# Altium PCB coreBoard_autotrack.PcbDoc (part 2 of 3) (continued)
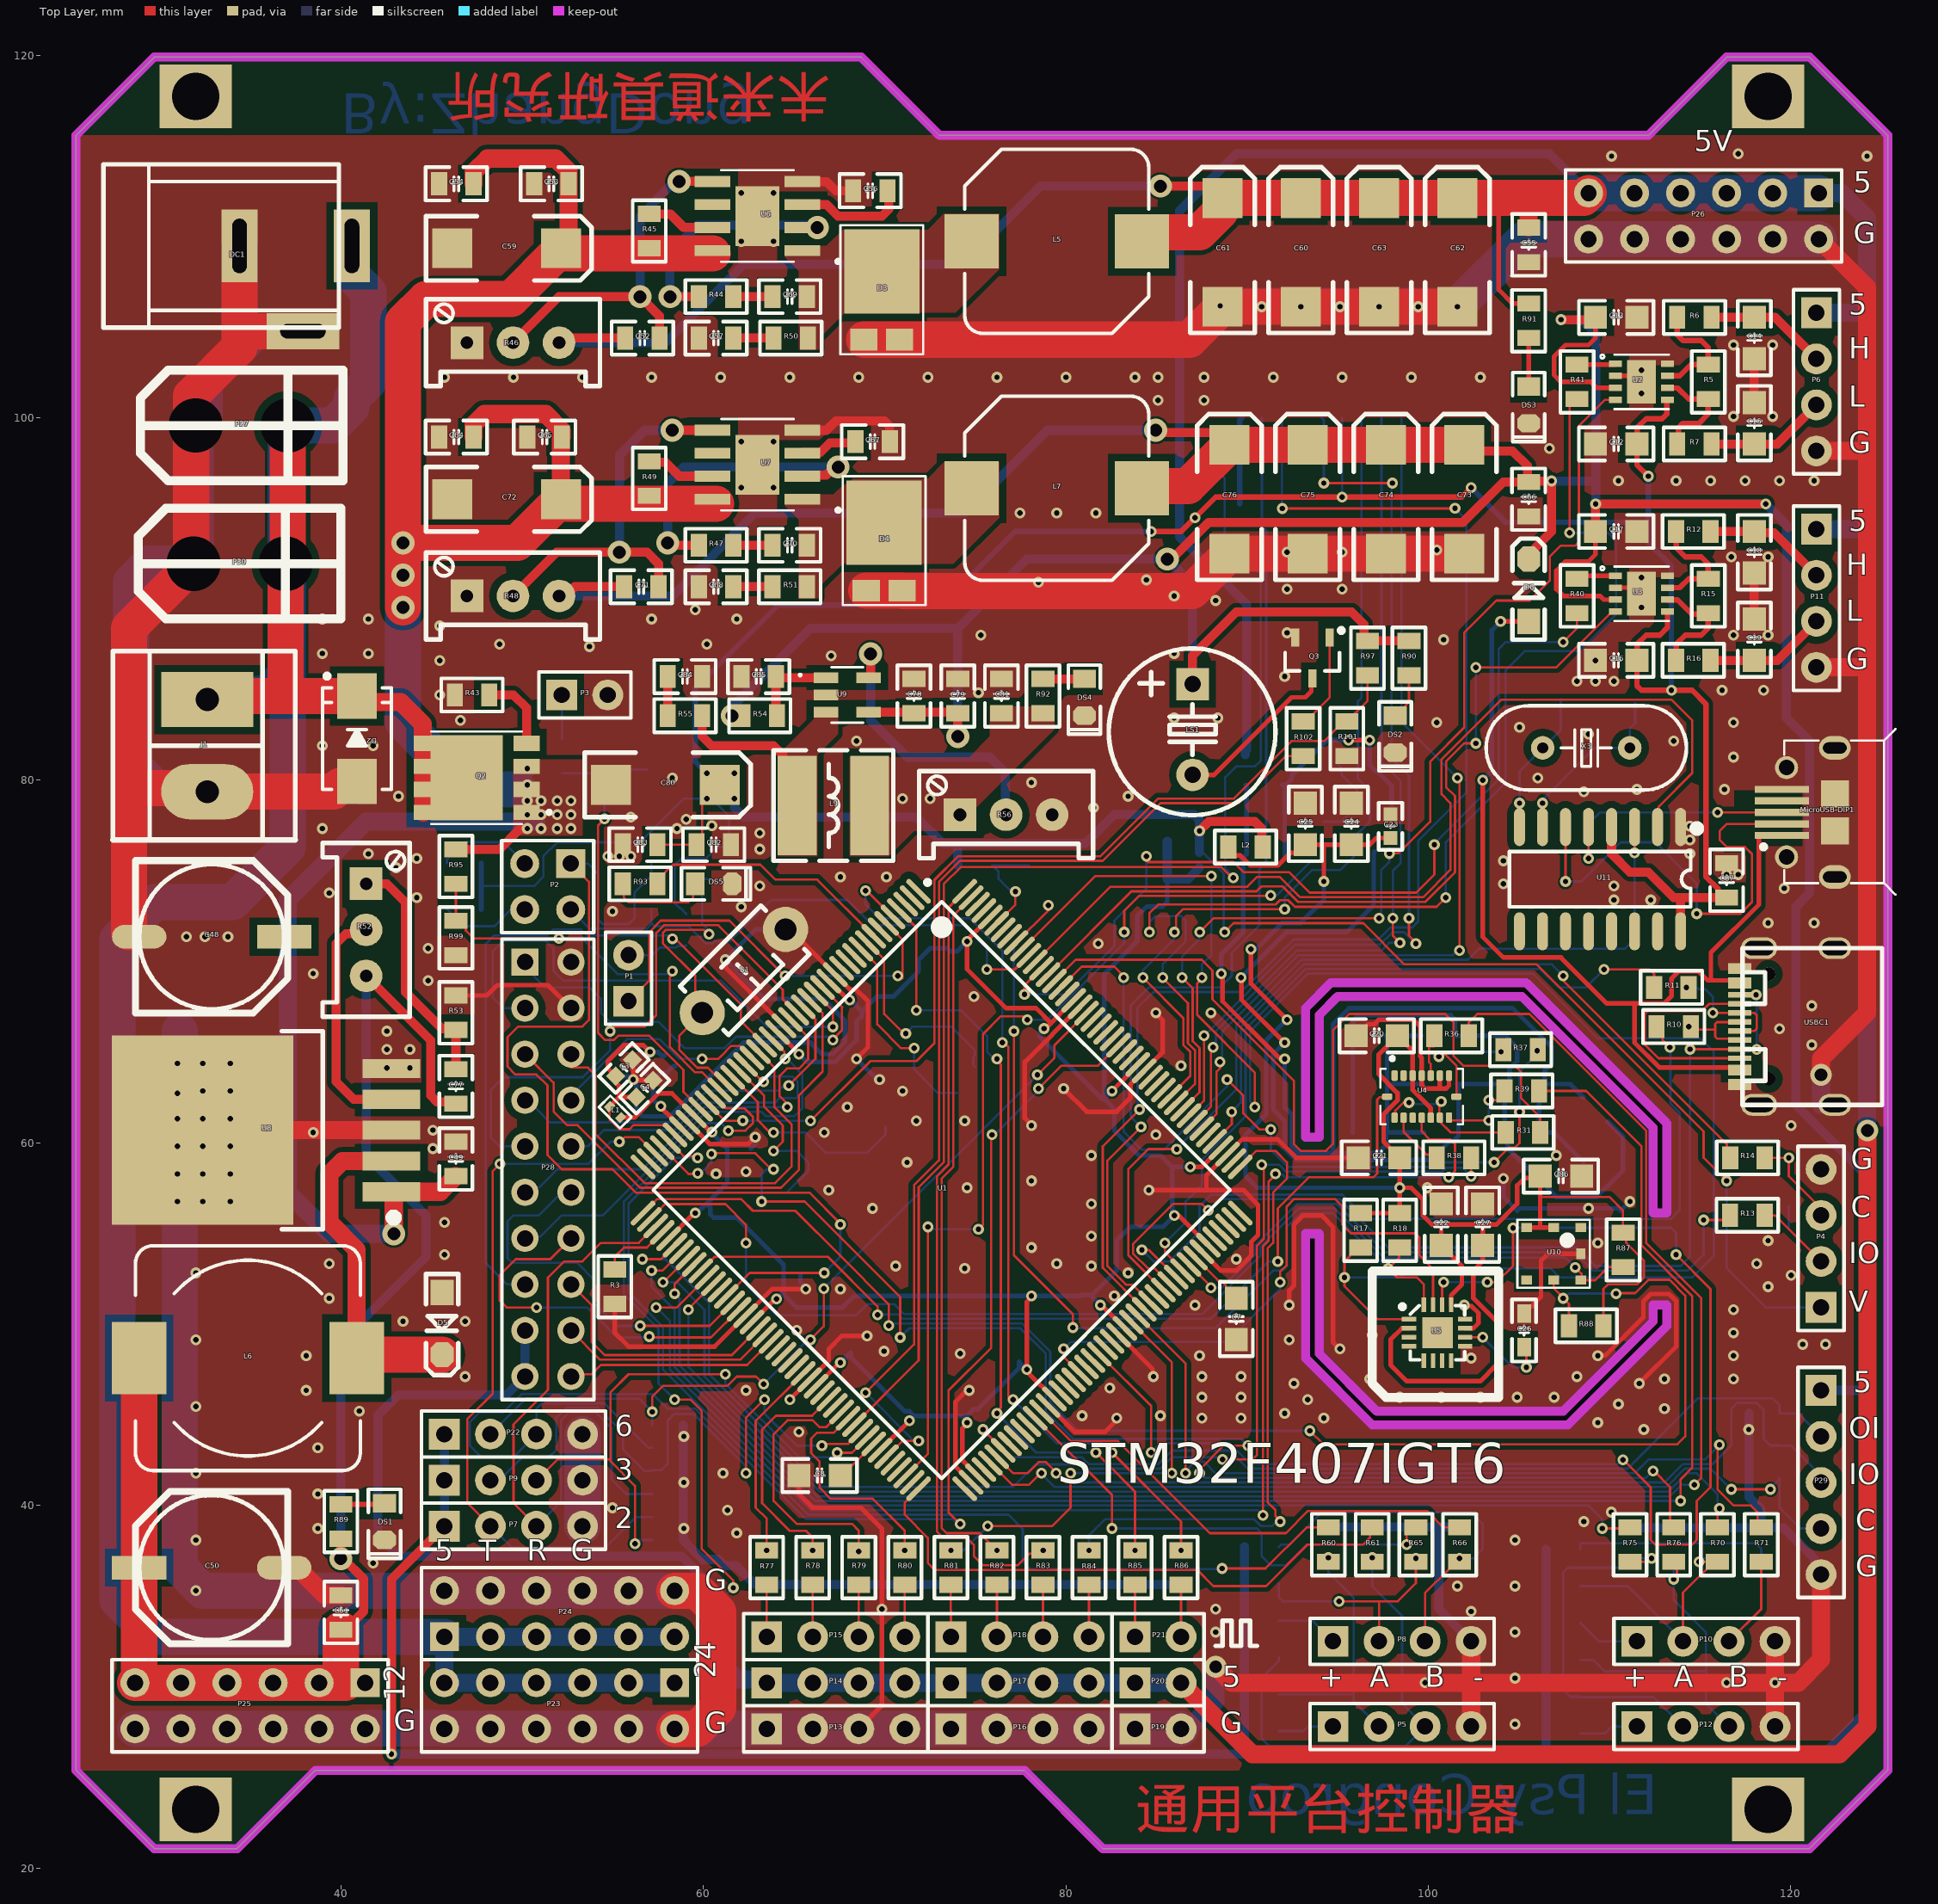
[diagram p0: Top Layer view]
## Nets (pads, with @x,y where several pads share a name; then routed paths per layer and width w, separated by ;. In a path a pad name is that pad's centre, name@x,y a point inside that pad or via, vN(x,y) a via of type N, cw(c..) or ccw(c..) an arc to the next point about the centre after c; other vN are vias at no path point) (continued)
NetD22_2: D22.2 P10.2 R68.1 R70.2 | length 14.1
  Top Layer w0.127: P10.2@114.046,32.512 114.046,35.194 R70.2@115.748,36.896 ; v1(114.935,36.906) 114.945,36.896 R70.2@115.748,36.896 ; R70.2@115.951,36.896 R70.2@115.748,36.896
  Bottom Layer w0.127: R68.1@108.392,35.56 110.998,35.56 P10.2@114.046,32.512 ; v1(114.935,36.906) 115.113,37.084 D22.2@115.951,37.084
NetD23_2: D23.2 P12.3 R72.1 R76.2 | length 18.9
  Top Layer w0.127: v1(113.538,35.941) 113.716,36.119 113.716,36.896 R76.2@113.538,36.896
  Bottom Layer w0.127: R72.1@108.392,31.496 109.093,31.496 109.728,30.861 115.316,30.861 ; D23.2@113.538,37.084 v1(113.538,35.941) 113.538,34.798 115.316,33.02 115.316,30.861 ; P12.3@116.586,27.813 115.316,29.083 115.316,30.861
NetD24_2: D24.2 P12.2 R73.1 R75.2 | length 24.4
  Top Layer w0.127: R75.2@111.125,36.896 112.131,36.896 v1(112.319,37.084)
  Bottom Layer w0.127: v1(112.319,37.084) D24.2@111.125,37.084 110.617,36.576 107.696,36.576 107.442,36.322 107.442,29.845 107.823,29.464 R73.1@108.392,29.464 R73.1@108.392,29.439 ; P12.2@114.046,27.813 112.42,29.439 ; R73.1@108.392,29.439 112.42,29.439 ; R73.1@108.392,29.439 112.42,29.439
NetDS1_1: DS1.1 R89.1 | length 2.4
  Top Layer w0.3: R89.1@40.005,40.066 42.352,40.066 DS1.1@42.418,40.132
NetDS2_1: DS2.1 R90.1 | length 2.5
  Top Layer w0.127: DS2.1@98.171,83.566 98.933,84.328 R90.1@98.933,85.791
NetDS3_1: DS3.1 R91.1 | length 2.7
  Top Layer w0.254: DS3.1@105.537,101.727 R91.1@105.537,104.399
NetDS4_1: DS4.1 R92.1 | length 2.3
  Top Layer w0.5: R92.1@78.74,85.598 DS4.1@81.026,85.598
NetDS5_1: DS5.1 R93.1 | length 5.6
  Top Layer w0.127: R93.1@55.565,74.295 55.615,74.245 55.615,73.544 55.88,73.279 59.182,73.279 59.447,73.544 59.447,74.179 DS5.1@59.563,74.295
NetL9_1: L9.1 R55.2 U9.3 | length 6
  Top Layer w0.5: R55.2@59.944,83.566 59.944,82.423 60.452,81.915 63.881,81.915 64.389,81.407
NetLS1_2: LS1.2 Q3.3 | length 9.2
  Top Layer w0.254: LS1.2@86.995,80.304 88.178,80.304 92.456,84.582 93.218,84.582 93.548,84.912 93.548,85.565 Q3.3@93.599,85.616
NetMicroUSB-DIP1_2: MicroUSB-DIP1.2@119.507,77.597 U11.6 | length 25.9
  Top Layer w0.127: v1(107.569,74.422) U11.6@107.569,77.424 ; v1(114.808,72.644) 117.221,72.644 117.856,73.279 117.856,75.946 117.475,76.327 116.459,76.327 116.078,76.708 116.078,77.216 116.459,77.597 MicroUSB-DIP1.2@119.507,77.597
  Bottom Layer w0.127: v1(107.569,74.422) 108.458,74.422 110.617,76.581 112.522,76.581 114.808,74.295 v1(114.808,72.644)
NetMicroUSB-DIP1_3: MicroUSB-DIP1.3@119.507,78.232 U11.5 | length 14.7
  Top Layer w0.127: v1(108.838,75.692) 108.966,75.82 108.839,75.947 U11.5@108.839,77.424 ; v1(115.951,78.232) MicroUSB-DIP1.3@119.507,78.232
  Bottom Layer w0.127: v1(108.838,75.692) 108.838,77.596 109.474,78.232 v1(115.951,78.232)
NetP1_1: P1.1 U1.6 | length 23.2
  Top Layer w0.127: P1.1@55.88,67.818 57.023,68.961 57.023,71.628 57.658,72.263 61.443,72.263 64.491,69.215 v1(64.516,69.215) ; U1.6@70.111,72.112 70.993,71.23 70.993,69.088 70.866,69.215 v1(70.739,69.215)
  Bottom Layer w0.127: v1(64.516,69.215) v1(70.739,69.215)
NetP2_3: P2.3 R34.2 | length 5.4
  Bottom Layer w0.127: R34.2@45.852,75.438 45.852,75.629 46.233,76.01 46.291,76.01 46.863,76.581 48.98,76.581 P2.3@50.15,75.411
NetP2_4: P2.4 R35.1 | length 5.1
  Bottom Layer w0.127: R35.1@45.852,72.898 46.792,71.958 48.489,71.958 49.401,72.871 P2.4@50.15,72.871
NetP3_1: P3.1 R94.2 | length 2.4
  Bottom Layer w0.127: R94.2@52.197,82.296 P3.1@52.197,84.709
NetP5_1: P5.1 R59.1 | length 3.1
  Bottom Layer w0.127: R59.1@91.755,27.559 93.116,27.559 93.371,27.813 P5.1@94.742,27.813
NetP8_1: P8.1 R64.1 | length 3.5
  Bottom Layer w0.127: R64.1@91.755,33.655 93.599,33.655 P8.1@94.742,32.512
NetP10_1: P10.1 R69.1 | length 3.5
  Bottom Layer w0.127: R69.1@108.392,33.528 109.408,32.512 P10.1@111.506,32.512
NetP12_1: P12.1 R74.1 | length 3.3
  Bottom Layer w0.127: R74.1@108.392,27.432 109.753,27.432 110.135,27.813 P12.1@111.506,27.813
NetP15_1: P15.1 R77.2 | length 2.9
  Top Layer w0.127: P15.1@63.5,32.766 R77.2@63.5,35.626
NetP15_2: P15.2 R78.2 | length 2.9
  Top Layer w0.127: P15.2@66.04,32.766 66.04,34.188 R78.2@66.04,35.626
NetP15_3: P15.3 R79.2 | length 2.9
  Top Layer w0.127: P15.3@68.58,32.766 68.58,34.188 R79.2@68.58,35.626
NetP15_4: P15.4 R80.2 | length 2.9
  Top Layer w0.127: P15.4@71.12,32.766 71.12,34.188 R80.2@71.12,35.626
NetP18_1: P18.1 R81.2 | length 2.9
  Top Layer w0.127: P18.1@73.66,32.766 73.66,34.188 R81.2@73.66,35.626
NetP18_2: P18.2 R82.2 | length 2.9
  Top Layer w0.127: P18.2@76.2,32.766 76.2,34.188 R82.2@76.2,35.626
NetP18_3: P18.3 R83.2 | length 2.9
  Top Layer w0.127: P18.3@78.74,32.766 78.74,34.188 R83.2@78.74,35.626
NetP18_4: P18.4 R84.2 | length 2.9
  Top Layer w0.127: P18.4@81.28,32.766 81.28,34.188 R84.2@81.28,35.626
NetP21_1: P21.1 R85.2 | length 2.9
  Top Layer w0.127: P21.1@83.82,32.766 R85.2@83.82,35.626
NetP21_2: P21.2 R86.2 | length 2.9
  Top Layer w0.127: P21.2@86.36,32.766 R86.2@86.36,35.626
NetQ1_1: Q1.1 R29.2 R30.2 | length 5.2
  Bottom Layer w0.127: R29.2@94.234,77.719 95.21,77.719 95.662,78.171 95.841,78.171 96.078,78.407 Q1.1@96.078,78.587 96.078,79.436 95.226,80.288 95.226,80.669 R30.2@94.869,81.026
NetQ1_3: Q1.3 R19.1 R20.1 R21.1 R22.1 R23.1 R24.1 R25.1 R26.1 R27.1 R28.1 | length 72.5
  Top Layer w0.127: v1(89.662,69.113) v1@89.693,69.082
  Top Layer w0.254: v1@89.693,69.082 89.693,67.906 92.067,65.532 v1(92.075,65.532)
  Bottom Layer w0.254: v1(89.662,69.113) 92.177,71.628 95.504,71.628 96.985,73.109 96.985,76.03 Q1.3@97.028,76.073 ; v1(92.075,65.532) 91.44,64.897 91.44,61.849 92.075,61.214 92.075,59.69 92.71,59.055 100.137,59.055 101.153,60.071 101.344,60.071 101.661,60.388 R19.1@101.661,60.579 101.661,63.18 R28.1@101.595,63.246 R25.1@104.206,63.246 ; R24.1@95.824,60.579 R27.1@95.824,63.246 95.824,65.852 R26.1@95.763,65.913 95.863,66.013 95.863,66.78 96.139,67.056 101.219,67.056 101.473,66.802 101.473,65.974 R20.1@101.534,65.913 104.267,65.913 104.902,65.278 104.902,64.516 104.474,64.088 104.474,63.514 R25.1@104.206,63.246 ; R22.1@109.892,61.177 110.744,60.325 110.744,58.473 R23.1@109.892,57.621 109.862,57.621 109.263,57.023 107.061,57.023 104.372,59.712 104.372,60.413 R21.1@104.206,60.579 R25.1@104.206,63.246
NetQ2_4: Q2.4 R43.2 | length 4.3
  Top Layer w0.5: R43.2@48.194,84.709 49.53,84.709 50.248,83.991 Q2.4@50.248,82.042
NetQ3_1: Q3.1 R102.1 | length 5.3
  Top Layer w0.127: R102.1@93.091,83.246 93.23,83.246 94.549,84.565 Q3.1@94.549,87.884
NetR3_1: R3.1 U1.48 | length 3.9
  Top Layer w0.127: R3.1@55.118,53.02 55.118,53.721 55.626,54.229 56.896,54.229 U1.48@57.737,55.071
NetR5_1: R5.1 R7.2 U2.6 | length 6.2
  Top Layer w0.3: U2.6@113.193,101.651 113.203,101.64 113.752,101.64 114.361,101.031 R5.1@115.443,101.031 115.443,100.203 114.935,99.695 114.046,99.695 113.792,99.441 113.792,98.613 R7.2@113.731,98.552
NetR5_2: R5.2 R6.2 U2.7 | length 6.4
  Top Layer w0.3: U2.7@113.193,102.311 113.868,102.311 114.488,102.931 R5.2@115.443,102.931 115.443,103.886 115.062,104.267 114.046,104.267 113.731,104.582 R6.2@113.731,105.537
NetR8_2: R8.2 R9.1 SD1.9 | length 9.4
  Bottom Layer w0.3: SD1.9@89.716,99.99 SD1.9@89.596,99.87 ; SD1.9@89.596,99.87 R9.1@89.596,95.25 SD1.9@89.596,99.87
NetR12_2: R12.2 R15.2 U3.7 | length 6.3
  Top Layer w0.3: U3.7@113.193,90.627 113.868,90.627 114.361,91.12 R15.2@115.443,91.12 115.443,91.948 115.062,92.329 114.173,92.329 113.685,92.817 113.685,93.711 R12.2@113.67,93.726
NetR15_1: R15.1 R16.2 U3.6 | length 6.5
  Top Layer w0.3: U3.6@113.193,89.967 113.203,89.956 113.752,89.956 114.534,89.174 115.397,89.174 R15.1@115.443,89.22 115.443,88.392 115.062,88.011 114.173,88.011 113.685,87.523 113.685,86.629 R16.2@113.67,86.614
NetR31_2: R31.2 U4.10 U4.15 | length 8.6
  Top Layer w0.127: U4.15@98.138,61.393 98.178,61.434 98.178,61.782 98.626,62.23 v1(98.933,62.23) ; v1(100.711,62.291) 100.645,62.291 100.611,62.257 100.611,61.42 U4.10@100.637,61.393 100.637,61.167 101.225,60.579 R31.2@104.272,60.579
  Bottom Layer w0.127: v1@98.873,62.23 v1(98.933,62.23) 98.848,62.145 100.63,62.145 100.711,62.225 v1(100.711,62.291)
NetR36_2: R36.2 U4.5 | length 2.8
  Top Layer w0.127: U4.5@100.138,63.714 100.138,64.356 100.036,64.458 R36.2@100.036,65.337 ; R36.2@100.335,65.913 R36.2@100.335,65.337 ; R36.2@100.036,65.337 R36.2@100.335,65.337 ; R36.2@100.036,65.337 R36.2@100.335,65.337
NetR37_2: R37.2 U4.8 | length 8.9
  Top Layer w0.127: v1(100.584,64.77) 100.584,64.897 100.66,64.973 100.838,64.973 101.549,64.262 ; U4.8@101.548,62.553 U4.8@101.549,62.553 ; R37.2@104.14,65.151 R37.2@104.14,64.973 ; U4.8@101.549,62.553 101.549,64.262 ; U4.8@101.549,62.553 101.549,64.262 ; R37.2@104.089,65.024 v1(104.013,65.024) R37.2@104.089,65.024 ; R37.2@104.089,65.024 R37.2@104.14,64.973 ; R37.2@104.089,65.024 R37.2@104.14,64.973
  Bottom Layer w0.127: v1(100.584,64.77) 100.584,64.897 100.711,65.024 v1(104.013,65.024)
NetR38_1: R38.1 U4.14 | length 3.2
  Top Layer w0.127: U4.14@98.637,61.393 98.637,60.621 99.901,59.357 100.287,59.357 R38.1@100.462,59.182
NetR39_1: R39.1 U4.9 | length 7.9
  Top Layer w0.127: U4.9@101.138,61.393 U4.9@101.138,61.239 ; R39.1@104.206,62.865 R39.1@104.206,62.357 ; U4.9@101.138,61.239 v1(103.327,61.239) U4.9@101.138,61.239 ; R39.1@104.206,62.357 v1(103.327,62.357) R39.1@104.206,62.357
  Bottom Layer w0.127: v1(103.327,61.239) v1(103.327,62.357)
NetR40_2: R40.2 U3.1 | length 2.2
  Top Layer w0.254: R40.2@108.204,91.12 108.372,91.288 U3.1@110.327,91.288
NetR41_2: R41.2 U2.1 | length 2.1
  Top Layer w0.254: R41.2@108.204,102.931 110.287,102.931 U2.1@110.327,102.972
NetR44_1: R44.1 U6.2 | length 13.8
  Top Layer w0.127: U6.2@65.467,110.49 v3(66.294,110.49)
  Top Layer w0.5: v3(58.166,106.68) R44.1@59.695,106.68 ; R44.1@59.756,106.68 R44.1@59.756,106.619 ; R44.1@59.695,106.68 R44.1@59.725,106.649 ; R44.1@59.695,106.68 R44.1@59.725,106.649 ; R44.1@59.725,106.649 R44.1@59.756,106.619 ; R44.1@59.725,106.649 R44.1@59.756,106.619
  Bottom Layer w0.5: v3(58.166,106.68) 58.166,109.093 59.69,110.617 66.167,110.617 v3(66.294,110.49)
NetR45_2: R45.2 U6.7 | length 3.8
  Top Layer w0.5: R45.2@57.023,111.247 58.171,111.247 58.928,110.49 U6.7@60.517,110.49
NetR47_1: R47.1 U7.2 | length 17
  Top Layer w0.5: v3(58.039,93.091) 58.166,92.964 R47.1@59.756,92.964 ; U7.2@65.467,96.774 65.517,96.824 66.771,96.824 67.229,97.282 v3(67.437,97.282)
  Bottom Layer w0.5: v3(58.039,93.091) 58.039,96.393 58.928,97.282 v3(67.437,97.282)
NetR49_2: R49.2 U7.7 | length 3.8
  Top Layer w0.5: R49.2@57.023,97.597 57.084,97.536 57.912,97.536 58.674,96.774 U7.7@60.517,96.774
NetR52_2: R52.2 U8.4 | length 13
  Top Layer w0.5: R52.2@41.402,71.755 41.18,71.533 40.291,71.533 39.751,70.993 39.751,63.373 40.718,62.406 U8.4@42.795,62.406
NRST: C9.2 R4.2 S1.1 U1.31 | length 19.7
  Top Layer w0.127: v1(60.325,71.519) 60.251,71.519 60.014,71.755 57.941,71.755 57.785,71.599 57.785,70.993 59.563,69.215 59.563,67.564 S1.1@59.944,67.183 58.674,65.913 58.674,65.151 59.672,64.153 60.249,64.153 61.128,63.273 U1.31@61.273,63.273
  Bottom Layer w0.127: v1(60.325,71.519) 60.325,71.696 59.944,72.077 59.944,73.685 59.309,74.32 C9.2@59.309,74.549 60.376,74.549 60.503,74.422 R4.2@61.595,74.422
PA0: R60.1 U1.40 | length 60.1
  Top Layer w0.127: U1.40@58.091,60.091 58.9,59.281 59.591,59.281 v1(59.69,59.182) ; v1(88.629,36.53) 91.013,36.53 93.279,38.796 R60.1@94.488,38.796
  Bottom Layer w0.127: v1(59.69,59.182) 58.42,59.182 55.88,56.642 55.88,51.757 57.201,50.437 57.785,49.852 57.785,47.498 65.786,39.497 76.835,39.497 77.63,38.702 77.63,36.924 78.06,36.494 88.665,36.494 v1(88.629,36.53)
PA1: R76.1 U1.41 | length 78.8
  Top Layer w0.127: U1.41@57.737,59.737 59.182,58.293 59.633,58.293 59.67,58.329 v1(59.693,58.329) ; v1(60.452,59.39) 60.498,59.436 62.865,59.436 63.754,58.547 v1(63.881,58.547) ; v1(63.221,56.769) 65.6,56.769 70.866,51.503 v1(70.866,49.276) ; v1(87.376,41.783) 87.376,41.969 88.714,43.307 v1(90.043,43.307) ; v1(112.395,41.91) 112.446,41.91 113.335,41.021 113.335,38.796 R76.1@113.538,38.796
  Bottom Layer w0.127: v1(59.693,58.329) 59.853,58.329 60.452,58.928 v1(60.452,59.39) ; v1(63.221,56.769) 63.221,58.268 63.5,58.547 ; 63.321,58.368 63.5,58.547 ; v1(63.881,58.547) 63.5,58.547 ; v1(70.866,49.276) 71.374,49.784 77.492,49.784 78.889,48.387 78.889,45.19 80.391,43.688 89.662,43.688 v1(90.043,43.307) ; v1(87.376,41.783) 87.433,41.783 87.687,41.529 112.014,41.529 v1(112.395,41.91)
PA2: D16.2 P7.2 U1.42 | length 41
  Top Layer w0.127: P7.2@48.26,38.862 46.99,40.132 46.99,44.78 48.387,46.177 48.387,58.445 v1(48.793,58.852) ; v1(55.372,60.071) 55.429,60.071 55.683,60.325 56.442,60.325 U1.42@57.384,59.384
  Bottom Layer w0.127: P7.2@48.26,38.862 49.454,37.668 54.585,37.668 56.286,39.37 D16.2@57.189,39.37 ; v1(48.793,58.852) 53.67,58.852 54.889,60.071 v1(55.372,60.071)
PA3: D15.2 P7.3 U1.47 | length 37.3
  Top Layer w0.127: P7.3@50.8,38.862 49.53,40.132 49.53,44.475 51.435,46.38 51.435,52.578 52.324,53.467 53.34,53.467 54.356,54.483 56.442,54.483 U1.47@57.384,55.424
  Bottom Layer w0.127: P7.3@50.8,38.862 52.149,40.211 52.149,44.704 52.578,45.133 54.08,45.133 54.94,44.272 54.94,41.453 55.753,40.64 D15.2@57.189,40.64
PA4: R38.2 U1.50 | length 73.8
  Top Layer w0.127: v1(56.642,53.594) 57.675,53.594 U1.50@58.444,54.363 ; v1(88.646,42.545) 90.297,42.545 90.551,42.799 90.551,54.334 90.926,54.709 90.926,58.49 90.896,58.52 90.896,58.71 v1(90.805,58.801) ; v1(102.362,58.166) R38.2@102.362,59.182
  Bottom Layer w0.127: v1(56.642,53.594) 57.912,53.594 60.325,51.181 60.325,47.244 66.548,41.021 77.089,41.021 78.342,42.274 80.917,42.274 81.153,42.037 85.217,42.037 85.852,42.672 88.335,42.672 88.372,42.636 88.555,42.636 v1(88.646,42.545) ; v1(90.805,58.801) 91.775,58.801 92.156,58.42 100.75,58.42 100.961,58.631 101.897,58.631 v1(102.362,58.166)
PA5: R75.1 U1.51 | length 64.7
  Top Layer w0.127: v1(57.15,52.959) 57.747,52.959 U1.51@58.798,54.01 ; v1(109.601,38.735) 111.064,38.735 R75.1@111.125,38.796
  Bottom Layer w0.127: v1(57.15,52.959) 57.15,52.07 58.42,50.8 58.42,47.625 66.04,40.005 108.839,40.005 109.601,39.243 v1(109.601,38.735)
PA6: R70.1 U1.52 | length 69.9
  Top Layer w0.127: v1(57.785,52.324) 57.819,52.324 U1.52@59.151,53.656 ; R70.1@115.951,38.796 115.951,39.608 116.06,39.717 v1(116.06,39.845)
  Bottom Layer w0.127: v1(57.785,52.324) 58.547,52.324 60.071,50.8 60.071,47.117 66.421,40.767 113.24,40.767 114.256,41.783 114.808,41.783 115.951,40.64 115.951,40.156 115.97,40.137 115.97,39.936 v1(116.06,39.845)
PA7: R39.2 U1.53 | length 92.3
  Top Layer w0.127: v1(58.42,51.689) 58.42,52.218 U1.53@59.505,53.303 ; R39.2@106.106,62.865 108.712,62.865 111.76,59.817 111.76,54.356 114.554,51.562 114.554,42.081 113.917,41.444 v1(113.917,40.259)
  Bottom Layer w0.127: v1(58.42,51.689) 58.692,51.417 58.692,47.735 66.167,40.259 v1(113.917,40.259)
PA8: U1.119
PA9: U1.120 U11.3 | length 49
  Top Layer w0.127: U1.120@85.385,51.889 85.362,51.889 83.457,53.794 83.457,58.565 84.557,59.665 86.106,59.665 v1(86.123,59.648) ; v1(111.379,75.997) U11.3@111.379,77.424
  Bottom Layer w0.127: v1(86.123,59.648) 86.123,59.681 89.408,62.967 89.408,66.504 93.008,70.104 102.176,70.104 102.794,70.721 103.2,70.721 103.208,70.714 110.846,70.714 111.379,71.247 v1(111.379,75.997)
PA11: R10.1 U1.122 | length 46.1
  Top Layer w0.127: v1(84.201,54.102) 84.586,54.102 U1.122@86.092,52.596 ; R10.1@112.588,66.421 112.925,66.083 112.925,65.67 v1(113.317,65.278)
  Bottom Layer w0.127: v1(84.201,54.102) 84.836,53.467 85.725,53.467 87.376,55.118 87.376,56.515 88.011,57.15 95.25,57.15 96.596,55.804 113.386,55.804 113.868,56.286 113.868,61.671 113.36,62.179 113.36,65.176 v1@113.383,65.199
PA12: R11.1 U1.123 | length 41.2
  Top Layer w0.127: v1(85.471,54.483) 85.471,53.964 86.446,52.989 U1.123@86.446,52.949 ; v1(109.687,69.571) 112.202,69.571 112.461,69.312 R11.1@112.461,68.58
  Bottom Layer w0.127: v1(85.471,54.483) 86.614,55.626 86.614,56.769 87.503,57.658 87.503,59.055 89.916,61.468 89.916,66.294 93.218,69.596 106.172,69.596 107.188,68.58 108.697,68.58 v1(109.687,69.571)
PA13: R13.1 U1.124 | length 36.8
  Top Layer w0.127: U1.124@86.799,53.303 86.799,53.282 88.011,52.07 v1(88.011,52.006) ; v1(115.189,55.753) 116.398,55.753 R13.1@116.652,56.007
  Bottom Layer w0.127: v1@87.884,52.225 88.011,52.098 v1(88.011,52.006) 88.582,52.006 90.478,53.902 90.478,54.366 92.754,56.642 94.935,56.642 97.602,53.975 108.077,53.975 109.093,52.959 114.3,52.959 115.189,53.848 v1(115.189,55.753)
PA14: R14.1 U1.137 | length 40
  Top Layer w0.127: U1.137@88.479,60.357 89.154,61.032 v1(89.154,61.722) ; v1@107.188,69.215 v1(107.442,69.215) ; v1@107.315,69.088 116.47,59.933 116.47,59.366 R14.1@116.654,59.182
  Bottom Layer w0.127: v1(89.154,61.722) 89.662,62.23 89.662,66.399 93.113,69.85 106.807,69.85 v1(107.442,69.215)
PA15: U1.138
PB0: R36.1 U1.56 | length 98.2
  Top Layer w0.127: v1(59.182,50.8) 59.182,50.859 U1.56@60.565,52.242 ; R36.1@102.235,65.913 102.235,66.65 102.7,67.115 105.58,67.115 112.014,60.681 112.014,54.483 115.062,51.435 115.062,41.529 v1(114.681,41.148)
  Bottom Layer w0.127: v1(59.182,50.8) 59.182,47.625 66.294,40.513 113.346,40.513 113.981,41.148 v1(114.681,41.148)
PB1: U1.57
PB3: R37.1 U1.161 | length 46.2
  Top Layer w0.127: U1.161@79.728,68.576 80.875,69.723 82.677,69.723 83.185,69.215 v1(83.185,69.113) v1@83.185,69.025 ; v1(88.9,63.5) 89.789,62.611 89.789,61.633 90.67,60.752 v1(91.313,60.752) ; v1(103.632,58.928) 104.457,59.753 104.795,59.753 105.029,59.987 v1(105.029,61.722)
  Bottom Layer w0.127: v1(83.185,69.113) 83.185,60.643 84.201,59.627 85.408,59.627 88.9,63.119 v1(88.9,63.5) ; v1(91.313,60.752) 91.313,59.622 92.261,58.674 100.645,58.674 100.899,58.928 v1(103.632,58.928) ; v1(105.029,61.722) 105.029,63.938 106.005,64.914 v1(106.005,65.094)
PB4: R31.1 U1.162 | length 46.6
  Top Layer w0.127: U1.162@79.375,68.93 80.549,70.104 87.503,70.104 88.092,69.515 88.092,67.923 92.583,63.432 92.583,59.944 92.964,59.563 94.361,59.563 94.742,59.944 94.742,66.218 95.644,67.12 100.927,67.12 101.397,66.65 101.397,64.795 101.93,64.262 104.775,64.262 105.118,63.919 105.118,62.471 106.172,61.417 R31.1@106.172,60.579
PB5: U1.163 U3.4 | length 47
  Top Layer w0.127: U1.163@79.021,69.283 83.618,73.881 90.518,73.881 90.788,74.151 91.965,74.151 92.819,73.297 99.84,73.297 101.473,74.93 101.473,79.139 100.983,79.629 100.983,81.048 101.977,82.042 v1(102.616,82.042) ; v1(102.616,86.233) 107.061,86.233 110.02,89.192 110.213,89.192 U3.4@110.327,89.306
  Bottom Layer w0.127: v1(102.616,82.042) v1(102.616,86.233)
PB6: R40.1 U1.164 | length 50.4
  Top Layer w0.127: v1(77.724,68.199) 77.724,68.693 U1.164@78.667,69.637 ; v1(84.455,75.819) 84.455,75.563 84.529,75.489 89.256,75.489 89.814,74.93 92.329,74.93 93.454,73.805 99.332,73.805 100.33,74.803 v1(100.33,76.454) ; v1(107.442,87.63) 108.204,88.392 R40.1@108.204,89.22
  Bottom Layer w0.127: v1(77.724,68.199) 80.01,68.199 82.677,70.866 82.677,72.263 84.455,74.041 v1(84.455,75.819) ; v1@100.305,76.479 103.886,80.061 103.886,87.249 104.267,87.63 v1(107.442,87.63)
PB7: U1.165 U11.2 | length 54.6
  Top Layer w0.127: U1.165@78.314,69.991 82.458,74.135 90.009,74.135 90.55,74.676 91.799,74.676 92.815,73.66 92.925,73.551 99.713,73.551 101.219,75.057 101.219,78.74 100.729,79.23 100.729,81.153 104.031,84.455 113.411,84.455 114.554,83.312 114.554,80.391 112.713,78.55 112.713,77.488 U11.2@112.649,77.424
PB8: R17.1 U1.167 U5.1 | length 98.9
  Top Layer w0.127: U1.167@77.607,70.698 81.636,74.727 v1(88.036,74.727) ; v1(87.503,69.113) 87.503,69.057 87.249,68.803 87.249,67.056 90.424,63.881 v1(90.424,61.976) ; R17.1@96.266,54.229 96.075,54.229 95.694,53.848 95.694,53.785 95.377,53.467 v1(95.377,52.578) 95.377,52.095 97.188,50.284 U5.1@98.933,50.284
  Bottom Layer w0.127: v1(87.503,69.113) 87.503,69.842 88.036,70.376 v1(88.036,74.727) ; v1(90.424,61.976) 90.424,62.033 90.17,62.287 90.17,66.167 93.345,69.342 105.761,69.342 109.342,65.761 109.35,65.768 115.003,65.768 115.748,65.024 115.748,53.772 114.554,52.578 107.239,52.578 106.731,53.086 98.933,53.086 98.425,52.578 v1(95.377,52.578)
PB9: R18.1 U1.168 U5.16 | length 56.2
  Top Layer w0.127: v1(77.14,66.167) 77.14,53.797 80.391,50.546 v1(80.391,49.819) ; U1.168@77.253,71.051 79.045,72.843 v1(79.045,73.101) ; R18.1@98.984,54.229 R18.1@98.425,54.229 98.39,54.194 98.39,53.668 v1(97.79,53.068) 98.28,52.578 99.377,52.578 99.758,52.197 U5.16@99.758,51.084
  Bottom Layer w0.127: v1(77.14,66.167) 77.14,70.917 78.965,72.742 78.965,73.021 v1(79.045,73.101) ; v1(80.391,49.819) 80.426,49.784 88.265,49.784 91.44,52.959 91.948,52.959 92.202,53.213 92.202,55.372 92.964,56.134 94.724,56.134 v1(97.79,53.068)
PB10: D20.2 P9.2 U1.79 | length 34.7
  Top Layer w0.127: v1(62.357,41.783) 62.357,44.831 v1(63.373,45.847) ; v1(66.548,43.307) 66.647,43.406 67.993,43.406 U1.79@68.697,44.11
  Bottom Layer w0.127: P9.2@48.26,41.402 48.561,41.703 49.069,41.703 50.038,42.672 51.489,42.672 51.895,43.078 51.895,44.834 52.448,45.387 54.185,45.387 55.575,43.996 55.575,43.078 56.744,41.91 D20.2@57.189,41.91 57.236,41.957 57.705,41.957 58.039,42.291 58.039,44.704 58.382,45.047 59.474,45.047 62.328,42.193 62.328,41.812 v1(62.357,41.783) ; v1(63.373,45.847) 63.373,45.085 65.151,43.307 v1(66.548,43.307)
PB11: D19.2 P9.3 U1.80 | length 31.7
  Top Layer w0.127: P9.3@50.8,41.402 51.943,42.545 54.889,42.545 ; v1(56.236,37.897) 56.236,41.097 54.889,42.443 54.889,42.545 ; v1(61.214,47.244) 55.88,47.244 54.889,46.253 54.889,42.545 ; v1(67.384,42.916) 68.209,42.916 U1.80@69.051,43.757
  Bottom Layer w0.127: v1(56.236,37.897) 56.439,38.1 D19.2@57.189,38.1 ; v1(61.214,47.244) 61.214,46.736 65.278,42.672 67.073,42.672 67.317,42.916 v1(67.384,42.916)
PB12: U1.92
PB13: D37.2 P29.4 U1.93 | length 50.3
  Top Layer w0.127: U1.93@75.839,42.343 77.034,41.148 77.978,41.148 v1@78.598,41.768 ; v1(116.713,40.894) v1(118.872,40.894) ; v1@78.598,41.768 78.662,41.768 v1@78.598,41.768
  Bottom Layer w0.127: v1@78.662,41.768 78.662,41.734 79.375,41.021 113.135,41.021 114.151,42.037 115.57,42.037 v1(116.713,40.894) ; v1(118.872,40.894) 118.872,40.963 D37.2@119.38,41.471 ; D37.2@119.38,41.529 D37.2@119.38,41.471 ; P29.4@121.666,38.735 120.523,38.735 119.38,39.878 D37.2@119.38,41.471
  other v1: 78.662,41.783
PB14: D39.2 P29.3 U1.94 | length 52.6
  Top Layer w0.127: U1.94@76.193,42.696 77.106,41.783 77.883,41.783 78.498,42.398 78.904,42.398 79.47,41.832 v1(79.47,41.783)
  Bottom Layer w0.127: v1(79.47,41.783) 79.978,41.275 113.03,41.275 114.046,42.291 115.697,42.291 116.713,43.307 116.713,45.339 117.043,45.669 118.115,45.669 118.491,45.293 118.491,43.688 118.864,43.315 119.372,43.315 D39.2@119.38,43.307 120.015,43.307 121.666,41.656 P29.3@121.666,41.275
PB15: D40.2 P29.2 U1.95 | length 52.1
  Top Layer w0.127: v1(75.438,44.196) 75.438,44.158 75.565,44.031 75.602,43.994 75.742,43.854 U1.95@76.546,43.05
  Bottom Layer w0.127: v1(75.438,44.196) 76.962,42.672 80.877,42.672 81.171,42.379 81.258,42.291 85.112,42.291 85.856,43.036 89.027,43.036 90.026,42.037 110.998,42.037 114.884,45.923 118.974,45.923 119.38,45.517 D40.2@119.38,45.085 120.396,45.085 P29.2@121.666,43.815
PC0: R95.1 R99.2 U1.32 | length 23.3
  Top Layer w0.127: R95.1@46.355,74.295 R99.2@46.355,72.258 46.521,72.258 46.902,71.877 46.902,71.711 47.328,71.285 v1(52.032,71.285) ; v1(58.293,69.469) 58.202,69.378 58.202,69.195 58.166,69.158 58.166,65.278 59.545,63.899 59.94,63.899 U1.32@60.919,62.919
  Bottom Layer w0.127: v1(52.032,71.285) 53.302,71.285 55.27,69.317 58.141,69.317 v1(58.293,69.469)
PC1: R96.1 R100.2 U1.33 | length 39.2
  Top Layer w0.127: v1(58.42,45.847) 59.284,45.847 59.919,45.212 59.919,37.61 61.657,35.871 v1(61.657,35.466) ; U1.33@60.565,62.566 60.599,62.566 61.257,61.908 62.269,61.908 62.738,61.439 62.738,61.097 62.322,60.681 v1(61.392,60.681)
  Bottom Layer w0.127: v1(58.42,45.847) 57.531,46.736 57.531,49.747 55.626,51.652 55.626,56.769 59.944,61.087 60.985,61.087 v1(61.392,60.681) ; R96.1@60.96,33.208 R100.2@60.96,34.991 61.151,34.991 61.625,35.466 v1(61.657,35.466)
PC2: R97.1 R101.2 U1.34 | length 53.6
  Top Layer w0.127: U1.34@60.212,62.212 61.21,61.214 62.161,61.214 v1(62.179,61.232) ; v1(65.913,61.214) 69.215,64.516 71.755,64.516 72.75,65.511 72.75,74.506 74.063,75.819 81.915,75.819 85.09,78.994 89.281,78.994 92.456,82.169 94.261,82.169 94.933,82.841 94.933,82.865 95.314,83.246 R101.2@95.504,83.246 96.647,84.389 R97.1@96.647,85.791 R97.1@97.095,85.791
  Bottom Layer w0.127: v1(62.179,61.232) 62.212,61.232 62.23,61.214 v1(65.913,61.214)
PC3: D11.2 R94.1 R98.2 U1.35 | length 27.6
  Top Layer w0.127: v1(54.559,77.876) 54.196,77.513 54.196,66.073 54.592,65.677 55.067,65.677 55.304,65.913 57.023,65.913 58.903,64.033 58.903,62.815 U1.35@59.858,61.859
  Bottom Layer w0.127: R94.1@52.197,80.396 R98.2@54.559,80.396 ; v1(54.559,77.876) R98.2@54.559,80.396 ; D11.2@56.896,80.596 55.902,80.596 55.702,80.396 R98.2@54.737,80.396 R98.2@54.559,80.396
PC4: U1.54 U4.16 | length 49.1
  Top Layer w0.127: U1.54@59.858,52.949 60.63,53.721 66.884,53.721 69.614,50.992 v1(69.614,50.517) ; v1(91.694,53.467) 91.694,56.388 93.421,58.115 96.977,58.115 97.18,58.318 97.18,62.382 97.325,62.527 97.701,62.527 U4.16@97.728,62.553
  Bottom Layer w0.127: v1(69.614,50.517) 69.643,50.546 70.743,50.546 70.98,50.31 88.029,50.31 91.186,53.467 v1(91.694,53.467)
PC5: U1.55 U4.12 | length 76.9
  Top Layer w0.127: v1(57.404,50.927) 58.543,50.927 U1.55@60.212,52.596 ; v1(90.881,39.458) 90.878,39.461 90.878,54.302 91.186,54.61 91.186,57.853 91.567,58.234 v1(91.567,58.293) ; U4.12@99.637,61.393 99.637,60.637 100.076,60.198 101.219,60.198 101.473,59.944 101.473,58.449 v1(101.135,58.111)
  Bottom Layer w0.127: v1(57.404,50.927) 58.166,50.165 58.166,47.498 65.913,39.751 90.588,39.751 v1(90.881,39.458) ; v1(91.567,58.293) 91.609,58.251 91.965,58.251 92.106,58.111 v1(101.135,58.111)
PC6: D32.2 R81.1 U1.115 | length 24.5
  Top Layer w0.127: v1(75.692,38.862) 79.248,38.862 80.264,39.878 v1(80.264,41.783) ; U1.115@83.617,50.121 85.852,47.886 v1(85.852,41.783)
  Bottom Layer w0.127: D32.2@73.66,37.338 D32.2@73.66,37.465 ; v1(73.66,37.526) 74.356,37.526 v1(75.692,38.862) ; v1(80.264,41.783) v1(85.852,41.783)
PC7: R71.1 U1.116 | length 46.8
  Top Layer w0.127: U1.116@83.971,50.474 86.614,47.831 v1(86.614,41.783) ; v1(116.06,43.348) 115.986,43.274 115.951,43.274 115.951,40.894 116.84,40.005 117.805,40.005 118.161,39.649 118.161,38.796 R71.1@118.364,38.796
  Bottom Layer w0.127: v1(86.614,41.783) 86.614,41.91 87.122,42.418 87.63,42.418 88.265,41.783 111.379,41.783 112.141,42.545 115.257,42.545 v1(116.06,43.348)